# KiCad board RasPi.kicad_pcb (continued)
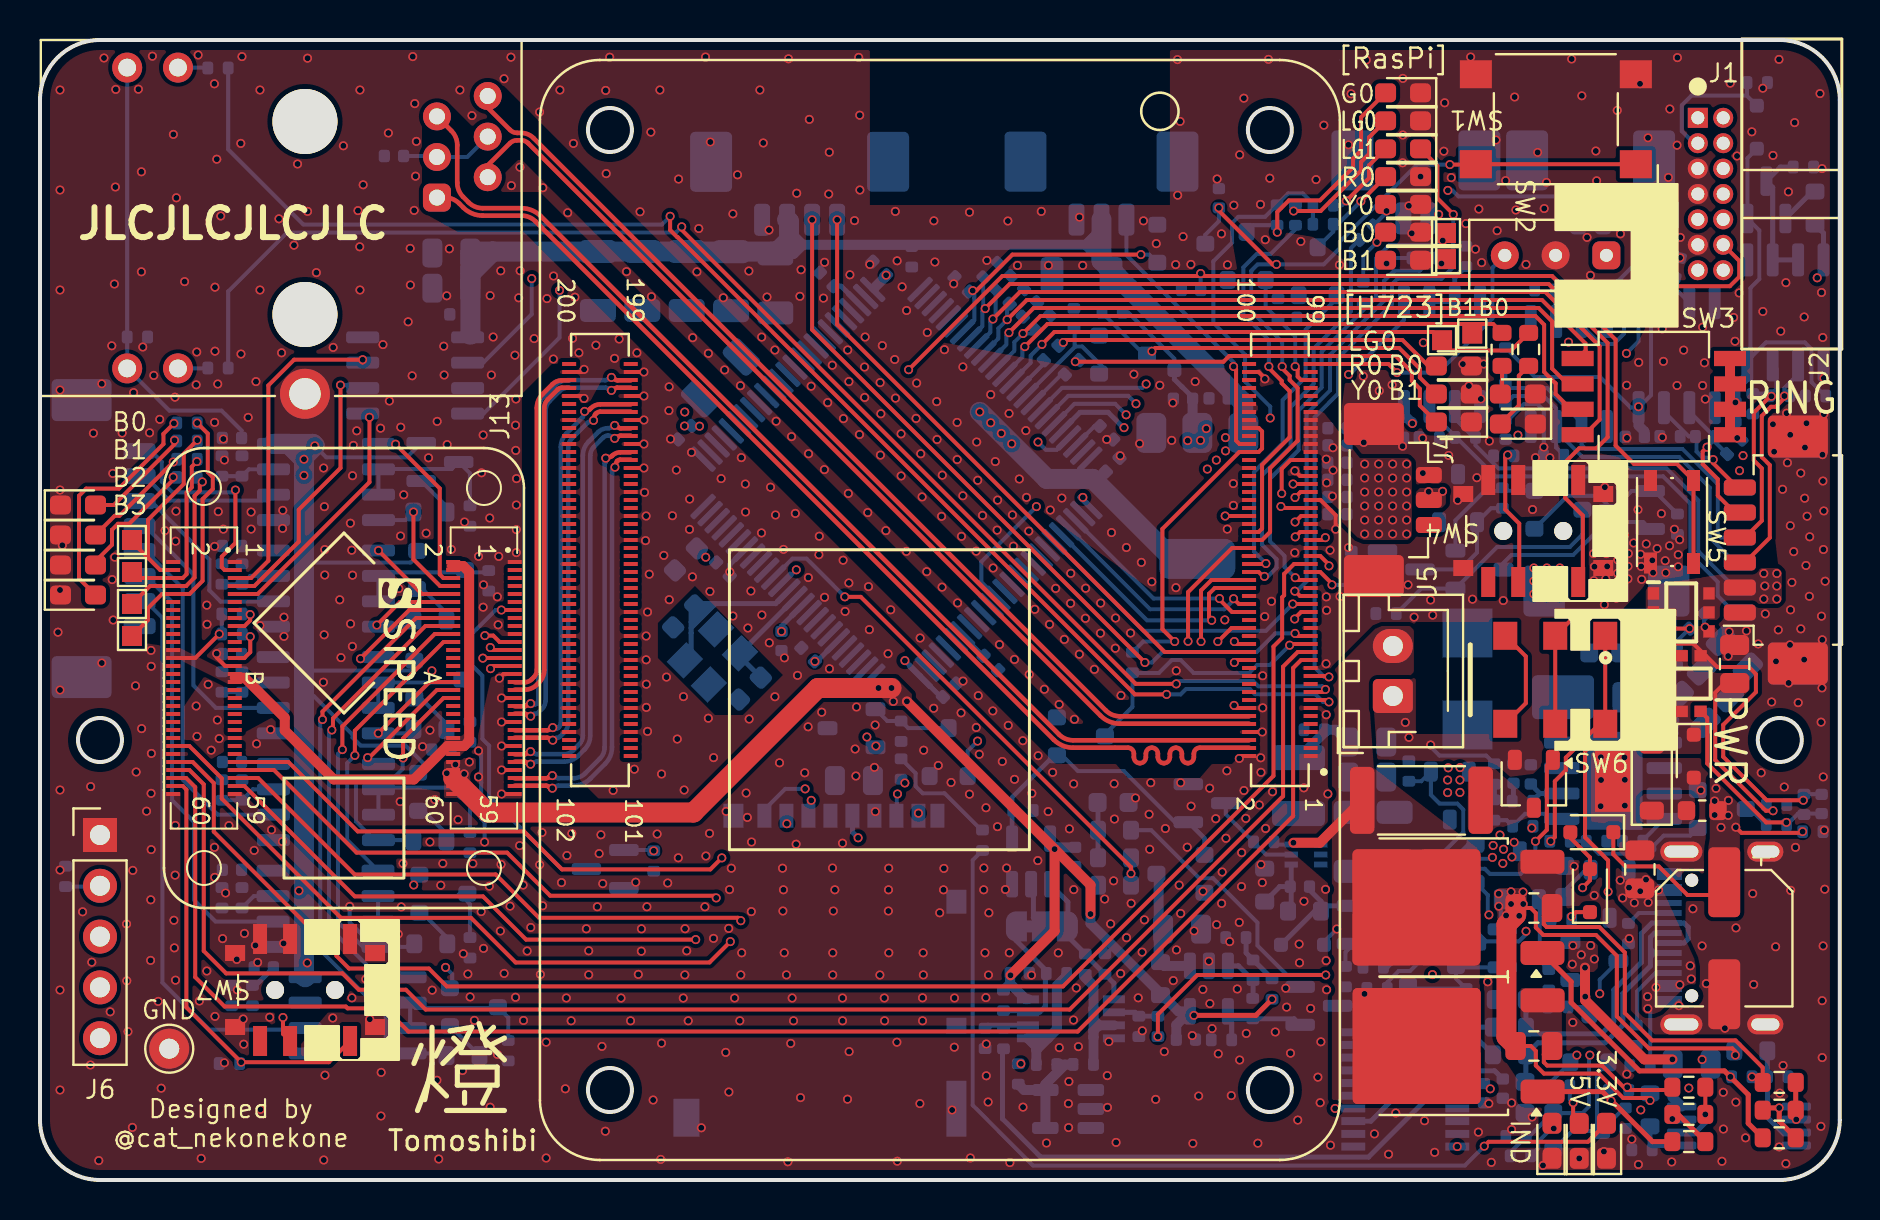
[diagram p0: board, top side]
## Placement (name value [footprint] x y rotation side) (continued)

## Library data of the parts
C1-C17 C19-C28 C30-C75 = -: Description: Unpolarized capacitor
C18 C29 = -: Description: Polarized capacitor
D1 D4-D8 D16-D18 = -: Description: Schottky diode
D2 D3 D9-D15 D19-D26 D28 D29 = -: Description: Light emitting diode
H1-H8 = -: Description: Mounting Hole with connection
J1 = -: Description: Generic connector, single row, 01x14, script generated
J2 J3 = -: Description: Generic connectable mounting pin connector, single row, 01x06, script generated (kicad-library-utils/schlib/autogen/connector/)
J4 J9 = -: Description: Generic connectable mounting pin connector, single row, 01x03, script generated (kicad-library-utils/schlib/autogen/connector/)
J5 = -: Description: Generic connector, single row, 01x02, script generated
J6 = -: Description: Generic connector, single row, 01x05, script generated
J7 J8 = -: Description: Generic connectable mounting pin connector, single row, 01x02, script generated (kicad-library-utils/schlib/autogen/connector/)
J10 = -: Description: Generic connectable mounting pin connector, single row, 01x04, script generated (kicad-library-utils/schlib/autogen/connector/)
J11 = -: Description: USB 2.0-only 16P Type-C Receptacle connector
J12 = -: Description: Micro SD Card Socket with card detection pins; Field4: PCB Edge
J13 = -: Description: 1 Port RJ45 Magjack Connector Through Hole 10/100 Base-T, AutoMDIX
J14 = -: Description: Generic connectable mounting pin connector, single row, 01x08, script generated (kicad-library-utils/schlib/autogen/connector/)
JP1 = -: Description: 3-pole Solder Jumper, pins 1+2 closed/bridged
L1 L2 L4 = -: Description: Inductor
Q1-Q5 Q7 Q9 Q15 Q17-Q19 Q22 Q30 Q32 Q36 Q37 = -: Description: PNP transistor, base/emitter/collector
Q6 Q8 Q16 Q26 Q28 Q29 Q35 = -: Description: P-MOSFET transistor, gate/source/drain
Q10 Q11 Q13 Q20 Q21 Q23-Q25 Q27 Q34 Q38 Q40 = -: Description: 0.115A Id, 60V Vds, N-Channel MOSFET, SOT-23
Q12 Q14 = -: Description: -4.1A Id, -20V Vds, P-Channel Power MOSFET, 48mOhm Ron, SC-74-6
Q31 Q39 = -: Description: P-MOSFET transistor, gate/drain/source
Q33 = -: Description: N-MOSFET transistor, gate/source/drain
R1-R151 R153-R156 = -: Description: Resistor
SW1 SW5 = -: Description: Single Pole Single Throw (SPST) switch
SW2 SW4 SW6 SW7 = -: Description: Switch, single pole double throw
SW3 = -: Description: 4x DIP Switch, Single Pole Single Throw (SPST) switch, small symbol; Field5: on
TP1 = -: Description: test point
U1 = -: MANUFACTURER: Raspberry Pi; MAXIMUM_PACKAGE_HEIGHT: 5.188 mm; PARTREV: 2021-10-12; STANDARD: Manufacturer Recommendations
U2-U5 U8-U12 U14 = -: Description: True RS-485/RS-422, 10Mbps, Slew-Rate Limited, with low-power shutdown, with receiver/driver enable, 32 receiver drive capacitity, DIP-8 and SOIC-8
U6 = -: Description: Full Speed USB to Full Handshake UART, SSOP-20
U7 = -: MAXIMUM_PACKAGE_HEIGHT: 5.188 mm; PARTREV: 2021-10-12; STANDARD: Manufacturer Recommendations; Field8: A1-A60; Field9: B1-B60
U13 = -: Description: 5A, Step Down DC-DC Converter, 4.5-60V Input Voltage, Texas R-PDSO-G8
U15 = -: Description: STMicroelectronics Arm Cortex-M7 MCU, 1024KB flash, 564KB RAM, 550 MHz, 1.71-3.6V, 82 GPIO, LQFP100
U16 = -: Description: 1A Low Dropout regulator, positive, 3.3V fixed output, TO-252
U17 = -: Description: Single General-Purpose Voltage Comparator with Open-Collector Output, SOT-23-5
U18 = -: Description: 16-Bit DAC with I2S Interface, SOP-8
U22 = -: Description: Dual Rail-to-Rail Input and Output 30-V, Wide Voltage Range, High Output, Operational Amplifier, SOIC-8/SSOP-8
U23 = -: Description: Shunt Regulator, SOT-23-5
U24 = -: Description: Low-Power, Low-Offset Voltage, Dual Comparators, DIP-8/SOIC-8/SOP-8/TSSOP-8/VSSOP-8
U25 = -: Description: Single NAND Gate, Low-Voltage CMOS
Y1 = -: Description: Four pin crystal, GND on pins 2 and 4

## Footprints (pads in the part's own frame, mm; a bottom-side part is the same pattern mirrored in y, then rotated)
BoxHeader_2x07_P1.27mm_Horizontal
  rect 1x1 hole 0.65: 1(0,3.81)
  round 1 hole 0.65: 2(1.27,3.81) 3(0,2.54) 4(1.27,2.54) 5(0,1.27) 6(1.27,1.27) 7(0,0) 8(1.27,0) 9(0,-1.27) 10(1.27,-1.27) 11(0,-2.54) 12(1.27,-2.54) 13(0,-3.81) 14(1.27,-3.81)
C_0402_1005Metric
  rrect 0.56x0.62 smd: 1(-0.48,0) 2(0.48,0)
C_0603_1608Metric
  rrect 0.9x0.95 smd: 1(-0.775,0) 2(0.775,0)
C_0805_2012Metric
  rrect 1x1.45 smd: 1(-0.95,0) 2(0.95,0)
C_1206_3216Metric
  rrect 1.15x1.8 smd: 1(-1.475,0) 2(1.475,0)
Connector_RJ45_LPJK7001AGNL
  round 3.25 hole 3.25 unplated: (-4.825,0) (4.825,0)
  rrect 1.4x1.4 hole 0.8: 4(-1.02,6.6)
  round 1.4 hole 0.8: 5(-3.05,6.6) 6(-5.08,6.6) 10(-2.04,9.14) 11(-4.07,9.14) 12(-6.1,9.14)
  round 1.5 hole 0.89: 13(7.52,-6.35) 14(7.52,-8.89) 15(-7.52,-6.35) 16(-7.52,-8.89)
  round 2.5 hole 1.57: SH(8.79,0)
Connector_SDCard_DM3AT
  rect 0.7x1.2 smd: 1(2.775,7.975) 2(1.675,7.975) 3(0.575,7.975) 4(-0.525,7.975) 5(-1.625,7.975) 6(-2.725,7.975) 7(-3.825,7.975) 8(-4.925,7.975) B(-5.875,7.975)
  rect 1x0.8 smd: A(-6.825,-2.525)
  rect 1x2.8 smd: MP(-6.825,-6.675)
  rect 1x1.2 smd: MP(-6.825,3.675) MP(4.325,7.975)
  rect 1.3x1.9 smd: MP(6.675,-7.125)
CP_EIA-7343-20_Kemet-V
  rrect 2.075x2.55 smd: 1(-3.112,0) 2(3.112,0)
CP_Elec_6.3x5.4
  rrect 3.5x1.6 smd: 1(-2.8,0) 2(2.8,0)
Crystal_SMD_3225-4Pin_3.2x2.5mm
  rect 1.4x1.2 smd: 1(-1.1,-0.85) 2(1.1,-0.85) 3(1.1,0.85) 4(-1.1,0.85)
D_SOD-123
  rrect 0.9x1.2 smd: 1(-1.65,0) 2(1.65,0)
DCDC_TPS61023
  rect 0.67x0.3 smd: 1(-0.74,0.5) 2(-0.74,0) 3(-0.74,-0.5) 4(0.74,-0.5) 5(0.74,0) 6(0.74,0.5)
Diode_SOD-323
  rrect 0.7x0.7 smd: 1(-1.075,0) 2(1.075,0)
FPGA_TangPrimer25K_Core
  rect 0.2x0.7 smd: A1(-5.8,8.54) A2(-5.8,5.46) A3(-5.4,8.54) A4(-5.4,5.46) A5(-5,8.54) A6(-5,5.46) A7(-4.6,8.54) A8(-4.6,5.46) A9(-4.2,8.54) A10(-4.2,5.46) A11(-3.8,8.54) A12(-3.8,5.46) A13(-3.4,8.54) A14(-3.4,5.46) A15(-3,8.54) A16(-3,5.46) A17(-2.6,8.54) A18(-2.6,5.46) A19(-2.2,8.54) A20(-2.2,5.46) A21(-1.8,8.54) A22(-1.8,5.46) A23(-1.4,8.54) A24(-1.4,5.46) A25(-1,8.54) A26(-1,5.46) A27(-0.6,8.54) A28(-0.6,5.46) A29(-0.2,8.54) A30(-0.2,5.46) A31(0.2,8.54) A32(0.2,5.46) A33(0.6,8.54) A34(0.6,5.46) A35(1,8.54) A36(1,5.46) A37(1.4,8.54) A38(1.4,5.46) A39(1.8,8.54) A40(1.8,5.46) A41(2.2,8.54) A42(2.2,5.46) A43(2.6,8.54) A44(2.6,5.46) A45(3,8.54) A46(3,5.46) A47(3.4,8.54) A48(3.4,5.46) A49(3.8,8.54) A50(3.8,5.46) A51(4.2,8.54) A52(4.2,5.46) A53(4.6,8.54) A54(4.6,5.46) A55(5,8.54) A56(5,5.46) A57(5.4,8.54) A58(5.4,5.46) A59(5.8,8.54) A60(5.8,5.46) B1(-5.8,-5.46) B2(-5.8,-8.54) B3(-5.4,-5.46) B4(-5.4,-8.54) B5(-5,-5.46) B6(-5,-8.54) B7(-4.6,-5.46) B8(-4.6,-8.54) B9(-4.2,-5.46) B10(-4.2,-8.54) B11(-3.8,-5.46) B12(-3.8,-8.54) B13(-3.4,-5.46) B14(-3.4,-8.54) B15(-3,-5.46) B16(-3,-8.54) B17(-2.6,-5.46) B18(-2.6,-8.54) B19(-2.2,-5.46) B20(-2.2,-8.54) B21(-1.8,-5.46) B22(-1.8,-8.54) B23(-1.4,-5.46) B24(-1.4,-8.54) B25(-1,-5.46) B26(-1,-8.54) B27(-0.6,-5.46) B28(-0.6,-8.54) B29(-0.2,-5.46) B30(-0.2,-8.54) B31(0.2,-5.46) B32(0.2,-8.54) B33(0.6,-5.46) B34(0.6,-8.54) B35(1,-5.46) B36(1,-8.54) B37(1.4,-5.46) B38(1.4,-8.54) B39(1.8,-5.46) B40(1.8,-8.54) B41(2.2,-5.46) B42(2.2,-8.54) B43(2.6,-5.46) B44(2.6,-8.54) B45(3,-5.46) B46(3,-8.54) B47(3.4,-5.46) B48(3.4,-8.54) B49(3.8,-5.46) B50(3.8,-8.54) B51(4.2,-5.46) B52(4.2,-8.54) B53(4.6,-5.46) B54(4.6,-8.54) B55(5,-5.46) B56(5,-8.54) B57(5.4,-5.46) B58(5.4,-8.54) B59(5.8,-5.46) B60(5.8,-8.54)
Inductor_ECS-MPIL0530
  rect 2.45x2.5 smd: 1(-2.3,0) 2(2.3,0)
JST_XH_B2B-XH-AM_1x02_P2.50mm_Vertical
  rrect 1.7x2 hole 1: 1(0,0)
  oval 1.7x2 hole 1: 2(2.5,0)
L_0603_1608Metric
  rrect 0.875x0.95 smd: 1(-0.787,0) 2(0.787,0)
L_1210_3225Metric
  rrect 1.25x2.65 smd: 1(-1.4,0) 2(1.4,0)
LED_0603_1608Metric_Pad1.05x0.95mm_HandSolder
  rrect 1.05x0.95 smd: 1(-0.875,0) 2(0.875,0)
LQFP-100_14x14mm_P0.5mm
  rrect 1.6x0.3 smd: 1(-7.675,6) 2(-7.675,5.5) 3(-7.675,5) 4(-7.675,4.5) 5(-7.675,4) 6(-7.675,3.5) 7(-7.675,3) 8(-7.675,2.5) 9(-7.675,2) 10(-7.675,1.5) 11(-7.675,1) 12(-7.675,0.5) 13(-7.675,0) 14(-7.675,-0.5) 15(-7.675,-1) 16(-7.675,-1.5) 17(-7.675,-2) 18(-7.675,-2.5) 19(-7.675,-3) 20(-7.675,-3.5) 21(-7.675,-4) 22(-7.675,-4.5) 23(-7.675,-5) 24(-7.675,-5.5) 25(-7.675,-6) 51(7.675,-6) 52(7.675,-5.5) 53(7.675,-5) 54(7.675,-4.5) 55(7.675,-4) 56(7.675,-3.5) 57(7.675,-3) 58(7.675,-2.5) 59(7.675,-2) 60(7.675,-1.5) 61(7.675,-1) 62(7.675,-0.5) 63(7.675,0) 64(7.675,0.5) 65(7.675,1) 66(7.675,1.5) 67(7.675,2) 68(7.675,2.5) 69(7.675,3) 70(7.675,3.5) 71(7.675,4) 72(7.675,4.5) 73(7.675,5) 74(7.675,5.5) 75(7.675,6)
  rrect 0.3x1.6 smd: 26(-6,-7.675) 27(-5.5,-7.675) 28(-5,-7.675) 29(-4.5,-7.675) 30(-4,-7.675) 31(-3.5,-7.675) 32(-3,-7.675) 33(-2.5,-7.675) 34(-2,-7.675) 35(-1.5,-7.675) 36(-1,-7.675) 37(-0.5,-7.675) 38(0,-7.675) 39(0.5,-7.675) 40(1,-7.675) 41(1.5,-7.675) 42(2,-7.675) 43(2.5,-7.675) 44(3,-7.675) 45(3.5,-7.675) 46(4,-7.675) 47(4.5,-7.675) 48(5,-7.675) 49(5.5,-7.675) 50(6,-7.675) 76(6,7.675) 77(5.5,7.675) 78(5,7.675) 79(4.5,7.675) 80(4,7.675) 81(3.5,7.675) 82(3,7.675) 83(2.5,7.675) 84(2,7.675) 85(1.5,7.675) 86(1,7.675) 87(0.5,7.675) 88(0,7.675) 89(-0.5,7.675) 90(-1,7.675) 91(-1.5,7.675) 92(-2,7.675) 93(-2.5,7.675) 94(-3,7.675) 95(-3.5,7.675) 96(-4,7.675) 97(-4.5,7.675) 98(-5,7.675) 99(-5.5,7.675) 100(-6,7.675)
Molex_PicoBlade_53261-0271_1x02-1MP_P1.25mm_Horizontal
  rrect 0.8x1.6 smd: 1(-0.625,2.4) 2(0.625,2.4)
  rrect 2.1x3 smd: MP(-3.175,-0.5) MP(3.175,-0.5)
Molex_PicoBlade_53261-0371_1x03-1MP_P1.25mm_Horizontal
  rrect 0.8x1.6 smd: 1(-1.25,2.4) 2(0,2.4) 3(1.25,2.4)
  rrect 2.1x3 smd: MP(-3.8,-0.5) MP(3.8,-0.5)
Molex_PicoBlade_53261-0471_1x04-1MP_P1.25mm_Horizontal
  rrect 0.8x1.6 smd: 1(-1.875,2.4) 2(-0.625,2.4) 3(0.625,2.4) 4(1.875,2.4)
  rrect 2.1x3 smd: MP(-4.425,-0.5) MP(4.425,-0.5)
Molex_PicoBlade_53261-0671_1x06-1MP_P1.25mm_Horizontal
  rrect 0.8x1.6 smd: 1(-3.125,2.4) 2(-1.875,2.4) 3(-0.625,2.4) 4(0.625,2.4) 5(1.875,2.4) 6(3.125,2.4)
  rrect 2.1x3 smd: MP(-5.675,-0.5) MP(5.675,-0.5)
Molex_PicoBlade_53261-0871_1x08-1MP_P1.25mm_Horizontal
  rrect 0.8x1.6 smd: 1(-4.375,2.4) 2(-3.125,2.4) 3(-1.875,2.4) 4(-0.625,2.4) 5(0.625,2.4) 6(1.875,2.4) 7(3.125,2.4) 8(4.375,2.4)
  rrect 2.1x3 smd: MP(-6.925,-0.5) MP(6.925,-0.5)
Molex_PicoBlade_53398-0371_1x03-1MP_P1.25mm_Vertical
  rrect 0.8x1.3 smd: 1(-1.25,1.25) 2(0,1.25) 3(1.25,1.25)
  rrect 2.1x3 smd: MP(-3.8,-1.5) MP(3.8,-1.5)
Package_TSOP6F
  rect 0.575x0.62 smd: 1(-1.388,0.95) 2(-1.388,0) 3(-1.388,-0.95) 4(1.388,-0.95) 5(1.388,0) 6(1.388,0.95)
Package_TSSOP-8_4.4x3.5mm_P0.65mm
  rrect 1.475x0.4 smd: 1(-2.862,0.975) 2(-2.862,0.325) 3(-2.862,-0.325) 4(-2.862,-0.975) 5(2.862,-0.975) 6(2.862,-0.325) 7(2.862,0.325) 8(2.862,0.975)
PinHeader_1x05_P2.54mm_Vertical
  rect 1.7x1.7 hole 1: 1(0,0)
  oval 1.7x1.7 hole 1: 2(0,-2.54) 3(0,-5.08) 4(0,-7.62) 5(0,-10.16)
R_0402_1005Metric
  rrect 0.54x0.64 smd: 1(-0.51,0) 2(0.51,0)
R_0603_1608Metric
  rrect 0.8x0.95 smd: 1(-0.825,0) 2(0.825,0)
R_0805_2012Metric
  rrect 1.025x1.4 smd: 1(-0.912,0) 2(0.912,0)
R_2512_6332Metric
  rrect 1.225x3.35 smd: 1(-2.962,0) 2(2.962,0)
SBC_RPi-CM4_NoMountingHoles
  rect 0.2x0.7 smd: 1(7.3,18.54) 2(7.3,15.46) 3(6.9,18.54) 4(6.9,15.46) 5(6.5,18.54) 6(6.5,15.46) 7(6.1,18.54) 8(6.1,15.46) 9(5.7,18.54) 10(5.7,15.46) 11(5.3,18.54) 12(5.3,15.46) 13(4.9,18.54) 14(4.9,15.46) 15(4.5,18.54) 16(4.5,15.46) 17(4.1,18.54) 18(4.1,15.46) 19(3.7,18.54) 20(3.7,15.46) 21(3.3,18.54) 22(3.3,15.46) 23(2.9,18.54) 24(2.9,15.46) 25(2.5,18.54) 26(2.5,15.46) 27(2.1,18.54) 28(2.1,15.46) 29(1.7,18.54) 30(1.7,15.46) 31(1.3,18.54) 32(1.3,15.46) 33(0.9,18.54) 34(0.9,15.46) 35(0.5,18.54) 36(0.5,15.46) 37(0.1,18.54) 38(0.1,15.46) 39(-0.3,18.54) 40(-0.3,15.46) 41(-0.7,18.54) 42(-0.7,15.46) 43(-1.1,18.54) 44(-1.1,15.46) 45(-1.5,18.54) 46(-1.5,15.46) 47(-1.9,18.54) 48(-1.9,15.46) 49(-2.3,18.54) 50(-2.3,15.46) 51(-2.7,18.54) 52(-2.7,15.46) 53(-3.1,18.54) 54(-3.1,15.46) 55(-3.5,18.54) 56(-3.5,15.46) 57(-3.9,18.54) 58(-3.9,15.46) 59(-4.3,18.54) 60(-4.3,15.46) 61(-4.7,18.54) 62(-4.7,15.46) 63(-5.1,18.54) 64(-5.1,15.46) 65(-5.5,18.54) 66(-5.5,15.46) 67(-5.9,18.54) 68(-5.9,15.46) 69(-6.3,18.54) 70(-6.3,15.46) 71(-6.7,18.54) 72(-6.7,15.46) 73(-7.1,18.54) 74(-7.1,15.46) 75(-7.5,18.54) 76(-7.5,15.46) 77(-7.9,18.54) 78(-7.9,15.46) 79(-8.3,18.54) 80(-8.3,15.46) 81(-8.7,18.54) 82(-8.7,15.46) 83(-9.1,18.54) 84(-9.1,15.46) 85(-9.5,18.54) 86(-9.5,15.46) 87(-9.9,18.54) 88(-9.9,15.46) 89(-10.3,18.54) 90(-10.3,15.46) 91(-10.7,18.54) 92(-10.7,15.46) 93(-11.1,18.54) 94(-11.1,15.46) 95(-11.5,18.54) 96(-11.5,15.46) 97(-11.9,18.54) 98(-11.9,15.46) 99(-12.3,18.54) 100(-12.3,15.46) 101(7.3,-15.46) 102(7.3,-18.54) 103(6.9,-15.46) 104(6.9,-18.54) 105(6.5,-15.46) 106(6.5,-18.54) 107(6.1,-15.46) 108(6.1,-18.54) 109(5.7,-15.46) 110(5.7,-18.54) 111(5.3,-15.46) 112(5.3,-18.54) 113(4.9,-15.46) 114(4.9,-18.54) 115(4.5,-15.46) 116(4.5,-18.54) 117(4.1,-15.46) 118(4.1,-18.54) 119(3.7,-15.46) 120(3.7,-18.54) 121(3.3,-15.46) 122(3.3,-18.54) 123(2.9,-15.46) 124(2.9,-18.54) 125(2.5,-15.46) 126(2.5,-18.54) 127(2.1,-15.46) 128(2.1,-18.54) 129(1.7,-15.46) 130(1.7,-18.54) 131(1.3,-15.46) 132(1.3,-18.54) 133(0.9,-15.46) 134(0.9,-18.54) 135(0.5,-15.46) 136(0.5,-18.54) 137(0.1,-15.46) 138(0.1,-18.54) 139(-0.3,-15.46) 140(-0.3,-18.54) 141(-0.7,-15.46) 142(-0.7,-18.54) 143(-1.1,-15.46) 144(-1.1,-18.54) 145(-1.5,-15.46) 146(-1.5,-18.54) 147(-1.9,-15.46) 148(-1.9,-18.54) 149(-2.3,-15.46) 150(-2.3,-18.54) 151(-2.7,-15.46) 152(-2.7,-18.54) 153(-3.1,-15.46) 154(-3.1,-18.54) 155(-3.5,-15.46) 156(-3.5,-18.54) 157(-3.9,-15.46) 158(-3.9,-18.54) 159(-4.3,-15.46) 160(-4.3,-18.54) 161(-4.7,-15.46) 162(-4.7,-18.54) 163(-5.1,-15.46) 164(-5.1,-18.54) 165(-5.5,-15.46) 166(-5.5,-18.54) 167(-5.9,-15.46) 168(-5.9,-18.54) 169(-6.3,-15.46) 170(-6.3,-18.54) 171(-6.7,-15.46) 172(-6.7,-18.54) 173(-7.1,-15.46) 174(-7.1,-18.54) 175(-7.5,-15.46) 176(-7.5,-18.54) 177(-7.9,-15.46) 178(-7.9,-18.54) 179(-8.3,-15.46) 180(-8.3,-18.54) 181(-8.7,-15.46) 182(-8.7,-18.54) 183(-9.1,-15.46) 184(-9.1,-18.54) 185(-9.5,-15.46) 186(-9.5,-18.54) 187(-9.9,-15.46) 188(-9.9,-18.54) 189(-10.3,-15.46) 190(-10.3,-18.54) 191(-10.7,-15.46) 192(-10.7,-18.54) 193(-11.1,-15.46) 194(-11.1,-18.54) 195(-11.5,-15.46) 196(-11.5,-18.54) 197(-11.9,-15.46) 198(-11.9,-18.54) 199(-12.3,-15.46) 200(-12.3,-18.54)
SC-59
  rrect 0.9x0.8 smd: 1(-1.2,0.95) 2(-1.2,-0.95) 3(1.2,0)
SolderJumper-3_P1.3mm_Bridged12_RoundedPad1.0x1.5mm
  custom 1.05x1.5 smd: 1(-1.3,0) 3(1.3,0)
  rect 1x1.5 smd: 2(0,0)
SOP-8_3.9x4.9mm_P1.27mm
  rrect 1.65x0.6 smd: 1(-2.625,1.905) 2(-2.625,0.635) 3(-2.625,-0.635) 4(-2.625,-1.905) 5(2.625,-1.905) 6(2.625,-0.635) 7(2.625,0.635) 8(2.625,1.905)
SOT-23
  rrect 1.475x0.6 smd: 1(-0.938,0.95) 2(-0.938,-0.95) 3(0.938,0)
SOT-23-5
  rrect 1.325x0.6 smd: 1(-1.137,0.95) 2(-1.137,0) 3(-1.137,-0.95) 4(1.137,-0.95) 5(1.137,0.95)
SOT-23W
  rrect 1x0.7 smd: 1(-1.2,0.95) 2(-1.2,-0.95) 3(1.2,0)
SOT-223-3_TabPin2
  rrect 2x1.5 smd: 1(-3.15,2.3) 2(-3.15,0) 3(-3.15,-2.3)
  rrect 2x3.8 smd: 2(3.15,0)
SSOP-20_3.9x8.7mm_P0.635mm
  rect 1.2x0.4 smd: 1(-2.6,2.857) 2(-2.6,2.223) 3(-2.6,1.587) 4(-2.6,0.953) 5(-2.6,0.318) 6(-2.6,-0.318) 7(-2.6,-0.953) 8(-2.6,-1.587) 9(-2.6,-2.223) 10(-2.6,-2.857) 11(2.6,-2.857) 12(2.6,-2.223) 13(2.6,-1.587) 14(2.6,-0.953) 15(2.6,-0.318) 16(2.6,0.318) 17(2.6,0.953) 18(2.6,1.587) 19(2.6,2.223) 20(2.6,2.857)
SW_DIP_SPSTx04_Slide_Copal_CHS-04B_W7.62mm_P1.27mm
  rect 1.6x0.76 smd: 1(-3.81,1.905) 2(-3.81,0.635) 3(-3.81,-0.635) 4(-3.81,-1.905) 5(3.81,-1.905) 6(3.81,-0.635) 7(3.81,0.635) 8(3.81,1.905)
SW_Push_1P1T_NO_Vertical_Wuerth_434133025816
  rect 1.05x0.65 smd: 1(-2.075,1.075) 1(2.075,1.075) 2(-2.075,-1.075) 2(2.05,-1.075)
SW_Slide_3P_SPDT
  rrect 1.4x1.4 hole 0.65: 1(0,2.54)
  round 1.4 hole 0.65: 2(0,0) 3(0,-2.54)
SW_Slide_DPDT_SSSS820101
  round 0.9 hole 0.9 unplated: (-1.5,0) (1.5,0)
  rect 0.7x1.5 smd: 1(-2.25,2.55) 2(0.75,2.55) 3(2.25,2.55) 4(-2.25,-2.55) 5(0.75,-2.55) 6(2.25,-2.55)
  rect 1x0.8 smd: G1(-3.5,1.85) G2(3.5,1.85) G3(-3.5,-1.85) G4(3.5,-1.85)
SW_Slide_SPDT_SSSS213202
  rect 1.2x1.4 smd: 1(-2.5,2.2) 1(-2.5,-2.2) 2(0,2.2) 2(0,-2.2) 3(2.5,2.2) 3(2.5,-2.2)
SW_SPST_Omron_B3FS-100xP
  rect 1.6x1.4 smd: 1(-4,2.25) 1(4,2.25) 2(-4,-2.25) 2(4,-2.25)
TestPoint_Pad_1.0x1.0mm
  rect 1x1 smd: 1(0,0)
TestPoint_THTPad_D2.0mm_Drill1.0mm
  round 2 hole 1: 1(0,0)
Texas_R-PDSO-G8_EP2.95x4.9mm_Mask2.4x3.1mm_ThermalVias
  rrect 1.04x0.89 smd: (-0.6,-1.03) (-0.6,0) (-0.6,1.03) (0.6,-1.03) (0.6,0) (0.6,1.03)
  rect 2.4x3.1 smd: (0,0)
  rrect 1.775x0.6 smd: 1(-2.562,1.905) 2(-2.562,0.635) 3(-2.562,-0.635) 4(-2.562,-1.905) 5(2.562,-1.905) 6(2.562,-0.635) 7(2.562,0.635) 8(2.562,1.905)
  rect 1.8x3.1 smd far side: 9(0,0)
  rect 2.95x4.9 smd: 9(0,0)
TO-252-2
  rrect 2.2x1.2 smd: 1(-5.04,2.28) 3(-5.04,-2.28)
  rrect 3.05x2.75 smd: 2(-0.415,1.525) 2(-0.415,-1.525) 2(2.935,1.525) 2(2.935,-1.525)
  rrect 6.4x5.8 smd: 2(1.26,0)
TSSOP-8_3x3mm_P0.65mm
  rect 1.1x0.4 smd: 1(-2.15,0.975) 2(-2.15,0.325) 3(-2.15,-0.325) 4(-2.15,-0.975) 5(2.15,-0.975) 6(2.15,-0.325) 7(2.15,0.325) 8(2.15,0.975)
USB_C_Receptacle_G-Switch_GT-USB-7010ASV
  round 0.65 hole 0.65 unplated: (-2.89,2.605) (2.89,2.605)
  rect 0.6x1.24 smd: A1(-3.2,3.725) A4(-2.4,3.725) A9(2.4,3.725) A12(3.2,3.725) B1(3.2,3.725) B4(2.4,3.725) B9(-2.4,3.725) B12(-3.2,3.725)
  rect 0.3x1.24 smd: A5(-1.25,3.725) A6(-0.25,3.725) A7(0.25,3.725) A8(1.25,3.725) B5(1.75,3.725) B6(0.75,3.725) B7(-0.75,3.725) B8(-1.75,3.725)
  oval 1x1.8 hole 0.6x1.4: S1(-4.32,-1.075) S1(4.32,-1.075)
  oval 1x2.1 hole 0.6x1.7: S1(-4.32,3.125) S1(4.32,3.125)
Vishay_SMPA
  rrect 3.1x2.2 smd: 1(-1.21,0)
  rrect 1.5x1.52 smd: 2(2.01,0)

## Nets
+3.3V: C1.1 C3.1 C6.1 C7.1 C8.1 C11.1 C12.1 C13.1 C14.1 C20.1 C22.1 C25.1 C28.1 C31.1 C33.1 C34.1 C35.1 C36.1 C38.1 C63.1 D1.2 D8.2 J13.14 J13.16 Q1.2 Q2.2 Q3.2 Q4.2 Q5.2 Q18.2 Q19.2 Q22.2 Q28.2 R13.1 R17.1 R21.1 R26.1 R32.1 R35.1 R39.1 R67.2 R73.2 R75.1 R79.1 R96.1 R104.2 R106.2 R109.1 R113.1 R114.2 R120.1 SW3.5 SW3.6 SW3.7 SW3.8 SW4.2 SW7.2 U2.8 U3.8 U4.8 U5.8 U8.8 U9.8 U10.8 U11.8 U12.8 U14.8 U15.6 U15.11 U15.20 U15.21 U15.27 U15.50 U15.75 U15.100 U16.2
+5V: C15.1 C24.1 C32.1 C37.1 C39.1 C40.1 C41.1 C42.1 C44.1 C47.1 C49.1 C53.1 C54.1 C56.1 C64.1 C70.1 C71.2 C72.2 C73.1 C74.1 C75.1 D8.1 J9.2 J10.2 Q8.2 Q9.2 Q16.2 Q17.2 Q26.2 Q35.2 Q37.2 R72.2 R102.2 R123.2 R136.2 R137.2 R138.2 R151.2 R153.2 U1.77 U1.79 U1.81 U1.83 U1.85 U1.87 U7.A52 U7.A54 U7.A56 U7.A58 U7.A60 U16.3 U17.5 U18.5 U22.8 U24.8 U25.5
/FPGA_TangPrimerCore/3.3V_TangPrimer: R85.2 R86.2 U7.A2 U7.A4 U7.A46 U7.A48 U7.A50 U7.B24 U7.B26 U7.B29 U7.B31
/Power/VBUS_UV: JP1.1 R137.1 R146.1 U24.7
/Power/VDD_UV: JP1.3 R136.1 R147.1 U24.1 U25.1
GND: C1.2 C2.2 C3.2 C4.1 C5.1 C6.2 C7.2 C8.2 C9.1 C10.2 C11.2 C12.2 C13.2 C14.2 C15.2 C16.2 C17.2 C18.2 C19.2 C20.2 C21.1 C22.2 C24.2 C25.2 C27.2 C28.2 C29.2 C30.2 C31.2 C32.2 C33.2 C34.2 C35.2 C36.2 C37.2 C38.2 C39.2 C40.2 C41.2 C42.2 C43.2 C44.2 C45.1 C46.2 C47.2 C48.1 C49.2 C50.2 C52.2 C53.2 C54.2 C55.1 C56.2 C58.2 C59.2 C60.1 C61.2 C62.2 C63.2 C64.2 C65.2 C66.2 C67.2 C68.1 C70.2 C71.1 C72.1 C73.2 C74.2 C75.2 D2.1 D3.1 D6.2 D9.1 D10.1 D11.1 D12.1 D13.1 D14.1 D15.1 D17.2 D19.1 D20.1 D21.1 D22.1 D23.1 D24.1 D25.1 D28.1 D29.1 J1.5 J1.7 J1.11 J2.1 J2.MP J3.1 J3.MP J4.1 J4.MP J5.1 J6.1 J7.1 J7.MP J8.1 J8.MP J9.1 J9.MP J10.1 J10.MP J11.A1 J11.A12 J11.B1 J11.B12 J11.S1 J12.6 J12.MP J13.SH J14.1 J14.MP Q10.2 Q11.2 Q13.2 Q20.2 Q21.2 Q23.2 Q24.2 Q25.2 Q27.2 Q33.2 Q34.2 Q38.2 Q40.2 R1.2 R2.2 R6.1 R7.1 R8.2 R9.1 R10.1 R12.2 R14.2 R16.2 R18.2 R20.2 R22.2 R25.2 R27.2 R29.2 R31.2 R33.2 R34.2 R36.2 R38.2 R40.2 R44.1 R45.1 R47.2 R48.1 R49.1 R50.1 R51.1 R52.1 R53.1 R56.2 R57.2 R62.2 R63.1 R64.2 R65.1 R66.2 R67.1 R70.2 R74.2 R76.2 R78.2 R84.2 R87.2 R88.2 R89.2 R95.2 R97.2 R100.1 R103.1 R105.2 R110.2 R117.2 R118.2 R119.1 R122.2 R129.1 R130.1 R131.1 R133.1 R134.2 R138.1 R144.1 R148.1 R154.2 R155.1 SW1.2 SW2.2 SW4.4 SW4.5 SW4.6 SW4.G1 SW4.G2 SW4.G3 SW4.G4 SW5.2 SW7.4 SW7.5 SW7.6 SW7.G1 SW7.G2 SW7.G3 SW7.G4 TP1.1 U1.1 U1.2 U1.7 U1.8 U1.13 U1.14 U1.22 U1.23 U1.32 U1.33 U1.42 U1.43 U1.52 U1.53 U1.59 U1.60 U1.65 U1.66 U1.71 U1.74 U1.98 U1.107 U1.108 U1.113 U1.114 U1.119 U1.120 U1.125 U1.126 U1.131 U1.132 U1.137 U1.138 U1.144 U1.150 U1.155 U1.156 U1.161 U1.162 U1.167 U1.168 U1.173 U1.174 U1.179 U1.180 U1.185 U1.186 U1.191 U1.192 U1.197 U1.198 U2.5 U3.5 U4.5 U5.5 U6.6 U6.16 U7.A1 U7.A19 U7.A29 U7.A35 U7.A41 U7.A47 U7.A53 U7.A59 U7.B1 U7.B2 U7.B15 U7.B27 U7.B28 U7.B45 U7.B50 U7.B59 U7.B60 U8.5 U9.5 U10.5 U11.5 U12.5 U13.7 U13.9 U14.5 U15.10 U15.19 U15.26 U15.49 U15.74 U15.99 U16.1 U17.2 U18.4 U19.4 U22.4 U23.2 U24.4 U25.3 Y1.2 Y1.4
VBUS: C48.2 C61.1 J11.A4 J11.A9 J11.B4 J11.B9 Q6.2 R44.2 R54.2 U6.15
VCC: C10.1 C16.1 C17.1 C29.1 D4.1 L1.2 R66.1 U13.2
VDD: C27.1 D6.1 D7.2 Q14.1 Q14.2 Q14.5 Q14.6 R55.2 R64.1 R68.1
+BATT: J2.2 J3.2 Q12.1 Q12.2 Q12.5 Q12.6
/DSI_CK_N: U1.187 U7.A45
/DSI_CK_P: U1.189 U7.A43
/DSI_D0_N: U1.175 U7.A57
/DSI_D0_P: U1.177 U7.A55
/DSI_D1_N: U1.181 U7.A51
/DSI_D1_P: U1.183 U7.A49
/DSI_D2_N: U1.193 U7.A39
/DSI_D2_P: U1.195 U7.A37
/DSI_D3_N: U1.194 U7.A33
/DSI_D3_P: U1.196 U7.A31
/FPGA_TangPrimerCore/DAC/LCH_OUT: J7.2 U18.6
/FPGA_TangPrimerCore/DAC/RCH_OUT: J8.2 U18.8
/FPGA_TangPrimerCore/I2S_SCK: U7.B9 U18.1
/FPGA_TangPrimerCore/I2S_SD: U7.B5 U18.3
/FPGA_TangPrimerCore/I2S_WS: U7.B7 U18.2
/FPGA_TangPrimerCore/LED_B0: H1.1 R80.2 U7.B4
/FPGA_TangPrimerCore/LED_B1: H2.1 R81.2 U7.B6
/FPGA_TangPrimerCore/LED_B2: H3.1 R82.2 U7.B8
/FPGA_TangPrimerCore/LED_B3: H4.1 R83.2 U7.B10
/FPGA_TangPrimerCore/Panel_PWRCtrl: J14.8 U7.B3
/FPGA_TangPrimerCore/RS485_Panel/RS485_Panel0: J14.2 U5.6
/FPGA_TangPrimerCore/RS485_Panel/RS485_Panel1: J14.3 U8.6
/FPGA_TangPrimerCore/RS485_Panel/RS485_Panel2: J14.4 U9.6
/FPGA_TangPrimerCore/RS485_Panel/RS485_Panel3: J14.5 U10.6
/FPGA_TangPrimerCore/RS485_Panel/RS485_Panel4: J14.6 U11.6
/FPGA_TangPrimerCore/RS485_Panel/RS485_Panel5: J14.7 U12.6
/FPGA_TangPrimerCore/SlideSW0: R84.1 SW7.1 U7.B58
/FPGA_TangPrimerCore/TangPrimerRXx_Panel0TX: U5.1 U7.A18
/FPGA_TangPrimerCore/TangPrimerRXx_Panel1TX: U7.A22 U8.1
/FPGA_TangPrimerCore/TangPrimerRXx_Panel2TX: U7.A34 U9.1
/FPGA_TangPrimerCore/TangPrimerRXx_Panel3TX: U7.A14 U10.1
/FPGA_TangPrimerCore/TangPrimerRXx_Panel4TX: U7.A10 U11.1
/FPGA_TangPrimerCore/TangPrimerRXx_Panel5TX: U7.A6 U12.1
/FPGA_TangPrimerCore/TangPrimerTXx_Panel0RX: R24.2 U5.4 U7.A16
/FPGA_TangPrimerCore/TangPrimerTXx_Panel1RX: R30.2 U7.A20 U8.4
/FPGA_TangPrimerCore/TangPrimerTXx_Panel2RX: R28.2 U7.A36 U9.4
/FPGA_TangPrimerCore/TangPrimerTXx_Panel3RX: R37.2 U7.A32 U10.4
/FPGA_TangPrimerCore/TangPrimerTXx_Panel4RX: R41.2 U7.A12 U11.4
/FPGA_TangPrimerCore/TangPrimerTXx_Panel5RX: R77.2 U7.A8 U12.4
/FPGA_TangPrimerCore/TCK: J6.2 R29.1 U7.A21
/FPGA_TangPrimerCore/TDI: J6.5 U7.A27
/FPGA_TangPrimerCore/TDO: J6.4 U7.A25
/FPGA_TangPrimerCore/TMS: J6.3 U7.A23
/MCU->RasPi_GPIO3: Q13.1 R88.1 U15.57
/PCM_CLK: U1.49 U7.B52
/PCM_DIN: U1.27 U7.B54
/PCM_DOUT: U1.25 U7.B56
/PCM_FS: U1.26 U7.B48
/Power/Cap: C55.2 C68.2 D16.2 J5.2 L4.2 Q31.2 Q39.2 R91.2 R118.1 R124.2 R149.2 U19.3
/Power/CC: Q29.2 Q32.2 R125.1 R128.2 R140.1 R142.2
/Power/FB_Boost: C57.2 R99.1 R100.2 U19.1
/Power/FB_Buck: R43.2 R121.1 U13.5
/Power/IND: Q6.3 Q7.2 Q8.3 R48.2 R71.2
/Power/PowerSW: Q11.1 R60.2 R62.1
/Power/S-S: C23.1 Q12.4 Q14.4 R58.1 R59.1 SW6.2
/Power/VCAP: C57.1 C66.1 C67.1 D16.1 D18.2 Q35.3 Q36.2 R99.2 U19.6
/Power/VSYS: C9.2 C18.1 D4.2 D5.2 L2.2 Q15.2 Q16.3 Q29.3 Q30.2 R121.2 R133.2
/RasPi->FPGA_CS: U1.54 U7.B51
/RasPi->FPGA_MISO: U1.34 U7.B53
/RasPi->FPGA_MOSI: U1.30 U7.B55
/RasPi->FPGA_SCLK: U1.37 U7.B57
/RasPi->MCU_CS: U1.39 U15.81
/RasPi->MCU_MISO: U1.40 U15.79
/RasPi->MCU_MOSI: U1.44 U15.80
/RasPi->MCU_SCLK: U1.38 U15.78
/RasPi->RST_FPGA: Q21.1 R89.1 U1.46
/RasPi_CM4/ETH_LEDG: R94.1 U1.17
/RasPi_CM4/ETH_LEDY: R93.1 U1.15
/RasPi_CM4/FAN_PWRCtrl: Q25.1 R103.2 U1.47
/RasPi_CM4/GLOBAL_EN: SW2.3 U1.99
/RasPi_CM4/LED_B0: H7.1 R3.2 U1.45
/RasPi_CM4/LED_B1: H8.1 R42.2 U1.41
/RasPi_CM4/LED_LG0: R111.2 U1.58
/RasPi_CM4/LED_nACT: D26.1 U1.21
/RasPi_CM4/LED_nPWR: Q24.1 R110.1 U1.95
/RasPi_CM4/LED_nR0: Q23.1 R117.1 U1.50
/RasPi_CM4/LED_Y0: R112.2 U1.48
/RasPi_CM4/LiDAR_PWM: J9.3 U1.80
/RasPi_CM4/RasPiRX0_SerialTX: U1.51 U6.20
/RasPi_CM4/RasPiRX5_LiDARTX: J10.4 U1.28
/RasPi_CM4/RasPiTX0_SerialRX: U1.55 U6.4
/RasPi_CM4/RasPiTX5_LiDARRX: J10.3 U1.31
/RasPi_CM4/SD_Card/PWR: C45.2 J12.4 Q28.3
/RasPi_CM4/SD_CLK: J12.5 U1.57
/RasPi_CM4/SD_CMD: J12.3 U1.62
/RasPi_CM4/SD_DAT0: J12.7 U1.63
/RasPi_CM4/SD_DAT1: J12.8 U1.67
/RasPi_CM4/SD_DAT2: J12.1 U1.69
/RasPi_CM4/SD_DAT3: J12.2 U1.61
/RasPi_CM4/SD_PWR_ON: Q27.1 R106.1 U1.75
/RasPi_CM4/TRD0_N: J13.10 U1.10
/RasPi_CM4/TRD0_P: J13.12 U1.12
/RasPi_CM4/TRD1_N: J13.6 U1.6
/RasPi_CM4/TRD1_P: J13.4 U1.4
/RasPi_GPIO3: C43.1 Q13.3 SW1.1 U1.56
/RasPi_SHDN: Q20.3 R92.2 U1.29
/ResetIC->RasPi_SHDN: Q20.1 Q38.1 Q40.1 R148.2 U25.4
/RingNW/BOOT0: R2.1 U15.94
/RingNW/DIPSW0: R6.2 SW3.1 U15.60
/RingNW/DIPSW1: R7.2 SW3.2 U15.61
/RingNW/DIPSW2: R9.2 SW3.3 U15.62
/RingNW/DIPSW3: R10.2 SW3.4 U15.59
/RingNW/H723RX1_RS485XTX: U3.1 U15.69
/RingNW/H723RX4_RS485YTX: U4.1 U15.70
/RingNW/H723TX1_RS485XRX: R11.2 U2.4 U15.68
/RingNW/H723TX4_RS485YRX: R90.2 U14.4 U15.71
/RingNW/HSE_IN: C4.2 U15.12 Y1.1
/RingNW/HSE_OUT: C5.2 U15.13 Y1.3
/RingNW/LED_B0: H5.1 R4.2 U15.63
/RingNW/LED_B1: H6.1 R5.2 U15.64
/RingNW/LED_LG0: R107.2 U15.65
/RingNW/LED_nR0: Q10.1 R105.1 U15.66
/RingNW/LED_Y0: R108.2 U15.67
/RingNW/NRST: C2.1 J1.12 SW5.1 U15.14
/RingNW/RS485_RingNW/RS485X_RA: J3.5 R17.2 R19.1 U3.6
/RingNW/RS485_RingNW/RS485X_RB: J3.6 R18.1 R19.2 U3.7
/RingNW/RS485_RingNW/RS485X_TA: J3.3 R13.2 R15.1 U2.6
/RingNW/RS485_RingNW/RS485X_TB: J3.4 R14.1 R15.2 U2.7
/RingNW/RS485_RingNW/RS485Y_RA: J2.5 R21.2 R23.1 U4.6
/RingNW/RS485_RingNW/RS485Y_RB: J2.6 R22.1 R23.2 U4.7
/RingNW/RS485_RingNW/RS485Y_TA: J2.3 R96.2 R98.1 U14.6
/RingNW/RS485_RingNW/RS485Y_TB: J2.4 R97.1 R98.2 U14.7
/RingNW/SlideSW0: R8.1 SW4.1 U15.58
/RingNW/SWCLK: J1.6 U15.76
/RingNW/SWDIO: J1.4 U15.72
/RingNW/SWO: J1.8 U15.89
/RST_FPGA: Q21.3 U7.A13
/V_Meas: R69.2 R70.1 U15.15
CM4_1.8V(OUTPUT)__1: U1.88 U1.90
CM4_3.3V(OUTPUT)__1: R92.1 U1.78 U1.84 U1.86
Net-(C19-Pad1): C19.1 U15.48
Net-(C26-Pad1): C26.1 R143.2 U22.7
Net-(C30-Pad1): C30.1 R68.2 R69.1
Net-(C58-Pad1): C58.1 J11.A7 J11.B7 R115.2
Net-(C59-Pad1): C59.1 J11.A6 J11.B6 R101.2
Net-(C62-Pad1): C62.1 U15.73
Net-(C65-Pad1): C65.1 R116.1
Net-(C69-Pad1): C69.1 R126.2 U22.1
Net-(D1-K): D1.1 J1.3 R1.1
Net-(D2-A): D2.2 R4.1
Net-(D3-A): D3.2 R5.1
Net-(D7-K): D7.1 L1.1
Net-(D9-A): D9.2 R71.1
Net-(D10-A): D10.2 R72.1
Net-(D11-A): D11.2 R73.1
Net-(D12-A): D12.2 R80.1
Net-(D13-A): D13.2 R81.1
Net-(D14-A): D14.2 R82.1
Net-(D15-A): D15.2 R83.1
Net-(D17-K): C51.2 D17.1 L2.1 U13.8
Net-(D18-K): D5.1 D18.1 R46.1 R47.1
Net-(D19-A): D19.2 R3.1
Net-(D20-A): D20.2 Q10.3 R109.2
Net-(D21-A): D21.2 R107.1
Net-(D22-A): D22.2 R108.1
Net-(D23-A): D23.2 Q24.3 R113.2
Net-(D24-A): D24.2 R111.1
Net-(D25-A): D25.2 R112.1
Net-(D26-A): D26.2 R114.1
Net-(D28-A): D28.2 R42.1
Net-(D29-A): D29.2 Q23.3 R120.2
Net-(J4-Pin_2): J4.2 Q26.3
Net-(J11-CC1): J11.A5 R52.2
Net-(J11-CC2): J11.B5 R51.2
Net-(J13-Pad13): J13.13 R94.2
Net-(J13-Pad15): J13.15 R93.2
Net-(J13-RCT): C46.1 J13.5 J13.11
Net-(JP1-C): JP1.2 U25.2
Net-(Q1-B): Q1.1 R11.1
Net-(Q1-C): Q1.3 R12.1 U2.2 U2.3
Net-(Q2-B): Q2.1 R24.1
Net-(Q2-C): Q2.3 R25.1 U5.2 U5.3
Net-(Q3-B): Q3.1 R30.1
Net-(Q3-C): Q3.3 R31.1 U8.2 U8.3
Net-(Q4-B): Q4.1 R28.1
Net-(Q4-C): Q4.3 R34.1 U9.2 U9.3
Net-(Q5-B): Q5.1 R37.1
Net-(Q5-C): Q5.3 R38.1 U10.2 U10.3
Net-(Q6-G): C21.2 Q6.1 R46.2
Net-(Q7-B): Q7.1 Q7.3 Q9.1 R49.2
Net-(Q8-G): Q8.1 Q9.3 R53.2
Net-(Q11-D): Q11.3 R61.2
Net-(Q12-G): Q12.3 R56.1 R58.2
Net-(Q14-G): C23.2 Q14.3 R59.2 R61.1
Net-(Q15-B): Q15.1 Q15.3 Q17.1 R63.2
Net-(Q16-G): Q16.1 Q17.3 R65.2
Net-(Q18-B): Q18.1 R41.1
Net-(Q18-C): Q18.3 R74.1 U11.2 U11.3
Net-(Q19-B): Q19.1 R77.1
Net-(Q19-C): Q19.3 R78.1 U12.2 U12.3
Net-(Q22-B): Q22.1 R90.1
Net-(Q22-C): Q22.3 R95.1 U14.2 U14.3
Net-(Q25-D): Q25.3 Q26.1 R102.1
Net-(Q27-D): Q27.3 Q28.1 R104.1
Net-(Q29-G): Q29.1 Q32.3 R50.2
Net-(Q30-B): Q30.1 Q30.3 Q32.1 R45.2
Net-(Q31-G): Q31.1 R126.1 R132.2
Net-(Q31-S): Q31.3 R125.2 R127.1 R132.1
Net-(Q33-D): Q33.3 R149.1
Net-(Q33-G): Q33.1 Q34.3 R91.1
Net-(Q34-G): Q34.1 R150.1 R155.2 U17.4
Net-(Q35-G): Q35.1 Q37.3 R131.2
Net-(Q36-B): Q36.1 Q36.3 Q37.1 R130.2
Net-(Q38-D): Q38.3 R124.1 U19.2
Net-(Q39-G): Q39.1 R141.2 R143.1
Net-(Q39-S): Q39.3 R139.1 R140.2 R141.1
Net-(Q40-D): C52.1 Q40.3 R151.1 U17.1
Net-(R122-Pad1): R43.1 R122.1
Net-(R153-Pad1): R153.1 R154.1 R156.2
Net-(SW6-A): R60.1 SW6.1
Net-(U3-DE): R16.1 U3.2 U3.3
Net-(U4-DE): R20.1 U4.2 U4.3
Net-(U5-B): R26.2 R27.1 U5.7
Net-(U6-3V3OUT): C60.2 U6.3 U6.13 U6.14
Net-(U6-USBDM): R115.1 U6.12
Net-(U6-USBDP): R101.1 U6.11
Net-(U7-D7_DONE): R86.1 U7.B25
Net-(U7-E8_READY): R85.1 U7.B17
Net-(U8-B): R32.2 R33.1 U8.7
Net-(U9-B): R35.2 R36.1 U9.7
Net-(U10-B): R39.2 R40.1 U10.7
Net-(U11-B): R75.2 R76.1 U11.7
Net-(U12-B): R79.2 R87.1 U12.7
Net-(U13-BOOT): C51.1 U13.1
Net-(U13-COMP): C50.1 R116.2 U13.6
Net-(U13-RT/CLK): R119.2 U13.4
Net-(U17-+): R150.2 R156.1 U17.3
Net-(U19-SW): L4.1 U19.5
Net-(U22A-+): R128.1 R129.2 U22.3
Net-(U22A--): C69.2 R127.2 U22.2
Net-(U22B-+): R142.1 R144.2 U22.5
Net-(U22B--): C26.2 R139.2 U22.6
Net-(U23-K): R123.1 R135.2 R145.2 U23.4 U23.5
Net-(U24A-+): R135.1 R147.2 U24.3
Net-(U24A--): R55.1 R134.1 U24.2
Net-(U24B-+): R145.1 R146.2 U24.5
